# KiCad board 8851_HW-U1-VCU118_REV2-0_071417.kicad_pcb (continued)
## Routing (per net, layer and track width the routed paths; a pad name or vN(x,y) marks a point on that pad's centre or on a via; arc(x,y) is an arc through that point) (continued)
PCIE_RX2_N: length 78.3
  TOP w0.145: v3(70.03,9.26) 69.71,9.58 arc(69.66,9.61) 69.6,9.62 69.45,9.62 arc(69.25,9.54) 69.17,9.35 69.17,6.29 arc(70.3,6.51) 69.35,5.87 69.37,5.85 arc(69.49,5.66) 69.54,5.44 U2.B24 ; v2(115.39,44.14) 115.88,44.63
  03_SIG1 w0.18: v3(70.03,9.26) 70.32,9.55 arc(70.38,9.59) 70.45,9.6 71.01,9.6 arc(72.56,10.24) 73.2,11.79 73.2,19.77 arc(73.46,20.41) 74.1,20.68 76.61,20.68 arc(77.32,20.81) 77.91,21.21 81.68,24.98 arc(82.04,25.22) 82.48,25.31 86.23,25.31 arc(87.06,25.36) 87.87,25.52 arc(88.56,25.8) 89.16,26.26 91.66,28.76 arc(93.52,30) 95.7,30.44 103.66,30.44 arc(105.51,30.8) 107.07,31.85 107.23,32 arc(107.41,32.28) 107.47,32.6 107.47,32.6 arc(107.51,32.76) 107.6,32.9 115.14,40.44 arc(115.38,40.8) 115.46,41.22 arc(115.52,41.51) 115.68,41.77
  03_SIG1 w0.234: v2(115.39,44.14) 115.39,44.26 arc(115.65,44.53) 115.91,44.26 115.91,42.21 arc(115.89,42.06) 115.84,41.93 115.7,41.8 arc(115.69,41.78) 115.68,41.77
PCIE_RX2_P: length 85
  TOP w0.145: v3(70.03,10.24) 69.72,9.93 arc(69.66,9.9) 69.6,9.88 69.45,9.88 arc(69.07,9.73) 68.92,9.35 68.92,6.29 arc(68.87,6.06) 68.75,5.87 68.72,5.85 arc(68.6,5.66) 68.55,5.44 U2.B23 ; v2(115.39,45.12) 115.88,45.61
  03_SIG1 w0.18: v3(70.03,10.24) 70.32,9.95 arc(70.38,9.91) 70.45,9.9 71.01,9.9 arc(72.35,10.45) 72.9,11.79 72.9,19.77 arc(73.25,20.62) 74.1,20.98 76.61,20.98 arc(77.2,21.09) 77.7,21.42 81.47,25.19 arc(81.93,25.5) 82.48,25.61 86.23,25.61 arc(87.02,25.66) 87.79,25.81 arc(88.41,26.06) 88.95,26.47 91.45,28.97 arc(93.4,30.28) 95.7,30.74 103.66,30.74 arc(105.39,31.08) 106.86,32.06 107.02,32.22 arc(107.13,32.39) 107.17,32.6 arc(108.57,32.32) 107.39,33.11 114.93,40.66 arc(115.1,40.91) 115.16,41.22 115.16,41.28 arc(115.12,41.52) 114.99,41.72 ; 114.98,41.73 arc(114.98,41.74) 114.97,41.74
  03_SIG1 w0.234: v2(115.39,45.12) 115.26,44.99 arc(117.38,43.57) 114.88,44.07 114.88,41.97 arc(114.9,41.85) 114.97,41.74 ; 114.99,41.72 arc(114.99,41.73) 114.98,41.73
PCIE_RX3_N: length 84
  TOP w0.145: U2.B28 73.47,5.44 arc(73.43,5.66) 73.3,5.85 73.28,5.87 arc(74.24,6.51) 73.11,6.29 73.11,9.35 arc(73.19,9.54) 73.39,9.62 73.54,9.62 arc(73.6,9.61) 73.65,9.58 v3(73.97,9.26) ; v2(117.36,42.17) 116.87,42.66
  03_SIG1 w0.18: v3(73.97,9.26) 74.26,9.55 arc(74.31,9.59) 74.38,9.6 74.56,9.6 arc(74.97,9.77) 75.14,10.18 75.14,12.71 arc(76.75,12.39) 75.39,13.3 77.09,15.01 arc(77.52,15.64) 77.67,16.39 77.67,16.84 arc(80.9,16.2) 78.16,18.03 80.33,20.2 arc(81.12,20.73) 82.04,20.91 85.62,20.91 arc(86.03,20.99) 86.38,21.23 89.26,24.11 arc(89.46,24.4) 89.53,24.74 89.53,24.8 arc(89.57,25.03) 89.71,25.23 90.87,26.4 arc(91.09,26.55) 91.36,26.6 91.47,26.6 arc(92.08,26.72) 92.58,27.06 94.02,28.5 arc(94.95,29.12) 96.03,29.33 104.61,29.33 arc(106.09,29.63) 107.34,30.46 115.6,38.73 arc(116.42,39.94) 116.7,41.38 116.7,42.35 arc(116.8,42.58) 117.03,42.67 117.15,42.67 arc(117.22,42.66) 117.28,42.63
  03_SIG1 w0.234: v2(117.36,42.17) 117.36,42.46 arc(117.35,42.54) 117.3,42.61 arc(117.29,42.62) 117.28,42.63
PCIE_RX3_P: length 84.1
  TOP w0.145: v3(73.97,10.24) 73.65,9.93 arc(73.6,9.9) 73.54,9.88 73.39,9.88 arc(73.01,9.73) 72.85,9.35 72.85,6.29 arc(72.81,6.06) 72.68,5.87 72.66,5.85 arc(72.53,5.66) 72.49,5.44 U2.B27 ; v2(117.36,43.15) 116.87,43.64
  03_SIG1 w0.18: v3(73.97,10.24) 74.26,9.95 arc(74.31,9.91) 74.38,9.9 74.56,9.9 arc(74.76,9.98) 74.84,10.18 74.84,12.71 arc(77.03,12.27) 75.17,13.51 76.88,15.22 arc(77.24,15.75) 77.37,16.39 77.37,16.84 arc(81.17,16.09) 77.95,18.24 80.12,20.41 arc(81,21.01) 82.04,21.21 85.62,21.21 arc(85.92,21.27) 86.17,21.44 89.05,24.32 arc(89.18,24.51) 89.23,24.74 89.23,24.8 arc(89.3,25.15) 89.49,25.45 90.66,26.61 arc(90.98,26.83) 91.36,26.9 91.47,26.9 arc(91.96,27) 92.37,27.27 93.81,28.71 arc(94.83,29.39) 96.03,29.63 104.61,29.63 arc(105.97,29.9) 107.12,30.67 115.39,38.94 arc(116.14,40.06) 116.4,41.37 116.4,42.35 arc(116.58,42.79) 117.03,42.97 arc(117.17,43) 117.29,43.09
  03_SIG1 w0.234: 117.29,43.09 v2(117.36,43.15)
PCIE_RX4_N: length 78.1
  TOP w0.145: U2.B34 79.38,5.44 arc(79.34,5.66) 79.21,5.85 79.19,5.87 arc(80.14,6.51) 79.02,6.29 79.02,9.35 arc(78.86,9.73) 78.48,9.88 78.33,9.88 arc(78.27,9.9) 78.22,9.93 v3(77.9,10.24) ; v2(118.34,44.14) 117.85,44.63
  03_SIG1 w0.18: v3(77.9,10.24) 77.61,9.95 arc(77.56,9.91) 77.49,9.9 77.31,9.9 arc(77.58,10.55) 76.92,10.28 76.92,10.81 arc(77.43,12.03) 78.64,12.53 81.21,12.53 arc(82.19,12.94) 82.6,13.92 82.6,18.77 arc(82.9,19.5) 83.63,19.8 86.24,19.8 arc(86.89,19.94) 87.45,20.31 93.78,26.63 arc(95.18,27.57) 96.84,27.9 109.08,27.9 arc(110.09,28.1) 110.95,28.68 112.19,29.91 arc(113.05,31.2) 113.35,32.72 113.35,33.42 arc(113.62,34.77) 114.38,35.9 117.85,39.38 arc(118.3,40.05) 118.46,40.85 118.46,41.08 arc(118.5,41.3) 118.62,41.47
  03_SIG1 w0.234: v2(118.34,44.14) 118.34,44.36 arc(118.59,44.6) 118.84,44.36 118.84,41.98 arc(118.78,41.71) 118.62,41.47
PCIE_RX4_P: length 85.8
  TOP w0.145: U2.B33 78.4,5.44 arc(78.44,5.66) 78.57,5.85 78.59,5.87 arc(78.71,6.06) 78.76,6.29 78.76,9.35 arc(78.68,9.54) 78.48,9.62 78.33,9.62 arc(78.27,9.61) 78.22,9.58 v3(77.9,9.26) ; v2(118.34,45.12) 117.85,45.61
  03_SIG1 w0.18: v3(77.9,9.26) 77.61,9.55 arc(77.56,9.59) 77.49,9.6 77.31,9.6 arc(77.79,10.77) 76.62,10.28 76.62,10.81 arc(77.22,12.24) 78.64,12.83 81.21,12.83 arc(81.98,13.15) 82.3,13.92 82.3,18.77 arc(82.69,19.71) 83.63,20.1 86.24,20.1 arc(86.78,20.21) 87.24,20.52 93.57,26.85 arc(95.07,27.85) 96.84,28.2 109.08,28.2 arc(109.98,28.38) 110.74,28.89 111.97,30.12 arc(112.77,31.32) 113.05,32.72 113.05,33.42 arc(113.34,34.88) 114.16,36.11 117.64,39.59 arc(118.03,40.17) 118.16,40.85 118.16,41.08 arc(119.87,41.08) 118.16,41.09 arc(118.14,41.27) 118.07,41.45
  03_SIG1 w0.234: v2(118.34,45.12) 117.98,44.75 arc(117.88,44.62) 117.85,44.45 117.85,41.96 arc(119.36,42.12) 117.91,41.66 117.93,41.65 arc(117.97,41.6) 118.01,41.55 arc(118.04,41.5) 118.07,41.45
PCIE_RX5_N: length 72.2
  TOP w0.145: v2(119.33,42.17) 118.84,42.66 ; v3(81.84,10.24) 82.15,9.93 arc(82.21,9.9) 82.27,9.88 82.42,9.88 arc(82.8,9.73) 82.95,9.35 82.95,6.29 arc(84.08,6.51) 83.12,5.87 83.15,5.85 arc(83.27,5.66) 83.32,5.44 U2.B38
  07_SIG3 w0.18: v3(81.84,10.24) 81.55,9.95 arc(81.49,9.91) 81.42,9.9 81.24,9.9 arc(81.42,10.32) 81,10.14 81,11.24 arc(81.29,11.93) 81.98,12.22 83,12.22 arc(84.17,12.45) 85.16,13.12 85.46,13.41 arc(85.64,13.49) 85.82,13.41 arc(85.99,13.34) 86.17,13.41 86.2,13.44 arc(86.27,13.62) 86.2,13.8 arc(86.63,13.97) 86.2,14.15 86.8,14.75 arc(87.46,15.19) 88.24,15.35 89.26,15.35 arc(90.62,15.91) 91.18,17.26 91.18,19.35 arc(91.26,19.76) 91.49,20.11 92.16,20.78 arc(92.65,21.11) 93.24,21.22 94.56,21.22 arc(95.18,21.35) 95.7,21.7 99.86,25.86 arc(100.57,26.33) 101.41,26.5 104.7,26.5 arc(105.97,26.75) 107.04,27.47 109.2,29.62 arc(109.47,30.03) 109.56,30.5 109.56,31.14 arc(109.5,31.45) 109.33,31.7 arc(109.29,31.76) 109.28,31.82 109.28,32.27 arc(109.33,32.52) 109.47,32.74 109.88,33.14 arc(110.14,33.32) 110.46,33.38 111.11,33.38 arc(111.87,33.54) 112.52,33.97 115.63,37.08 arc(115.99,37.32) 116.4,37.4 116.89,37.4 arc(117.31,37.48) 117.66,37.72 118.07,38.13 arc(118.19,38.18) 118.3,38.13 arc(118.42,38.08) 118.53,38.13 118.68,38.28 arc(118.73,38.4) 118.68,38.51 arc(118.96,38.63) 118.68,38.74 119.19,39.25 arc(119.37,39.52) 119.43,39.84 119.43,40.41 arc(119.47,40.58) 119.56,40.72
  07_SIG3 w0.234: v2(119.33,42.17) 119.74,41.75 arc(119.8,41.67) 119.82,41.56 119.82,41.16 arc(119.79,40.99) 119.69,40.85 119.56,40.72
PCIE_RX5_P: length 71.3
  TOP w0.145: v2(119.33,43.15) 118.84,43.64 ; v3(81.84,9.26) 82.16,9.58 arc(82.21,9.61) 82.27,9.62 82.42,9.62 arc(82.62,9.54) 82.7,9.35 82.7,6.29 arc(82.65,6.06) 82.52,5.87 82.5,5.85 arc(82.38,5.66) 82.33,5.44 U2.B37
  07_SIG3 w0.18: v3(81.84,9.26) 81.55,9.55 arc(81.49,9.59) 81.42,9.6 81.24,9.6 arc(81.63,10.53) 80.7,10.14 80.7,11.24 arc(81.08,12.14) 81.98,12.52 83,12.52 arc(84.06,12.73) 84.95,13.33 86.59,14.96 arc(87.35,15.47) 88.24,15.65 89.26,15.65 arc(90.4,16.12) 90.88,17.26 90.88,19.35 arc(90.98,19.88) 91.28,20.32 91.95,20.99 arc(92.54,21.39) 93.24,21.52 94.56,21.52 arc(95.06,21.62) 95.49,21.91 96.97,23.39 97.61,24.03 99.65,26.07 arc(100.46,26.61) 101.41,26.8 104.7,26.8 arc(105.86,27.03) 106.83,27.68 108.99,29.84 arc(109.19,30.14) 109.26,30.5 109.26,31.14 arc(109.22,31.33) 109.12,31.49 arc(109.01,31.64) 108.98,31.82 108.98,32.27 arc(109.05,32.64) 109.26,32.95 109.67,33.35 arc(110.03,33.6) 110.46,33.68 111.11,33.68 arc(111.76,33.81) 112.31,34.18 115.42,37.29 arc(115.87,37.6) 116.4,37.7 116.89,37.7 arc(117.19,37.76) 117.44,37.93 118.97,39.46 arc(119.09,39.63) 119.13,39.84 119.13,40.15 arc(119.09,40.37) 118.97,40.55 arc(119.72,41.05) 118.84,40.87
  07_SIG3 w0.234: 118.84,40.87 118.84,42.24 arc(118.87,42.42) 118.97,42.57 119.26,42.86 arc(119.31,42.94) 119.33,43.02 v2(119.33,43.15)
PCIE_RX6_N: length 72.6
  TOP w0.145: U2.B42 87.25,5.44 arc(87.21,5.66) 87.08,5.85 87.06,5.87 arc(88.02,6.51) 86.89,6.29 86.89,9.35 arc(86.73,9.73) 86.36,9.88 86.21,9.88 arc(86.14,9.9) 86.09,9.93 v3(85.78,10.24) ; v2(120.31,44.14) 119.82,44.63
  03_SIG1 w0.18: v3(85.78,10.24) 85.49,9.95 arc(85.43,9.91) 85.36,9.9 85.18,9.9 arc(85.3,10.19) 85.01,10.07 85.01,11.98 arc(85.06,12.21) 85.19,12.41 86.56,13.78 arc(86.8,14.14) 86.89,14.56 86.89,17.51 arc(86.95,17.81) 87.12,18.07 87.89,18.84 arc(88.32,19.12) 88.83,19.22 arc(89.28,19.31) 89.66,19.57 92.91,22.82 arc(93.63,23.3) 94.48,23.47 arc(94.96,23.53) 95.42,23.7 arc(95.7,23.87) 95.94,24.08 96.67,24.8 arc(98.88,26.28) 101.48,26.8 109.78,26.8 arc(111.13,27.07) 112.28,27.84 114.8,30.35 arc(114.99,30.63) 115.05,30.95 115.05,30.95 arc(115.11,31.27) 115.3,31.55 116.04,32.29 arc(116.27,32.45) 116.55,32.5 116.67,32.5 116.69,32.51 arc(117.16,32.63) 117.57,32.92 118.31,33.66 arc(119.85,35.96) 120.39,38.67 120.39,40.23 arc(121.09,40.09) 120.49,40.49
  03_SIG1 w0.234: v2(120.31,44.14) 120.31,44.31 arc(120.56,44.55) 120.8,44.31 120.8,40.7 arc(120.75,40.58) 120.62,40.53 arc(120.56,40.51) 120.49,40.49
PCIE_RX6_P: length 80.8
  TOP w0.145: U2.B41 86.27,5.44 arc(86.31,5.66) 86.44,5.85 86.46,5.87 arc(86.59,6.06) 86.63,6.29 86.63,9.35 arc(86.55,9.54) 86.36,9.62 86.21,9.62 arc(86.15,9.61) 86.1,9.58 v3(85.78,9.26) ; v2(120.31,45.12) 119.82,45.61
  03_SIG1 w0.18: v3(85.78,9.26) 85.49,9.55 arc(85.43,9.59) 85.36,9.6 85.18,9.6 arc(85.51,10.4) 84.71,10.07 84.71,11.98 arc(86.47,11.63) 84.98,12.62 86.35,13.99 arc(86.53,14.25) 86.59,14.56 86.59,17.51 arc(86.67,17.93) 86.91,18.28 87.67,19.05 arc(88.2,19.4) 88.83,19.52 arc(89.16,19.59) 89.45,19.78 92.69,23.03 arc(93.51,23.58) 94.48,23.77 arc(94.89,23.82) 95.28,23.96 arc(95.52,24.11) 95.73,24.29 96.46,25.02 arc(98.76,26.56) 101.48,27.1 109.78,27.1 arc(111.02,27.34) 112.07,28.05 114.59,30.57 arc(114.71,30.74) 114.75,30.95 114.75,30.95 arc(116.96,30.51) 115.09,31.76 115.83,32.5 arc(116.16,32.72) 116.55,32.8 116.55,32.8 arc(116.6,32.8) 116.65,32.8 116.66,32.81 arc(117.04,32.91) 117.35,33.13 118.1,33.87 arc(119.57,36.07) 120.09,38.67 120.09,40.4 arc(120.05,40.57) 119.95,40.73
  03_SIG1 w0.234: v2(120.31,45.12) 120.06,44.87 arc(119.88,44.6) 119.82,44.29 119.82,41.04 arc(120.67,41.21) 119.95,40.73
PCIE_RX7_N: length 69.1
  TOP w0.145: v3(89.71,10.24) 90.03,9.93 arc(90.08,9.9) 90.14,9.88 90.3,9.88 arc(90.67,9.73) 90.83,9.35 90.83,6.29 arc(91.95,6.51) 91,5.87 91.02,5.85 arc(91.15,5.66) 91.19,5.44 U2.B46 ; v2(121.3,42.17) 120.8,42.66
  07_SIG3 w0.18: v3(89.71,10.24) 89.43,9.95 arc(89.37,9.91) 89.3,9.9 89.12,9.9 arc(89.29,10.32) 88.87,10.14 88.87,11.43 arc(89.04,11.82) 89.43,11.98 90.08,11.98 arc(92.31,12.43) 94.2,13.69 95.24,14.73 arc(95.42,15) 95.48,15.32 95.48,19.3 arc(95.54,19.58) 95.7,19.83 98.53,22.65 arc(98.77,22.81) 99.06,22.87 100.54,22.87 arc(101.08,22.98) 101.53,23.28 102.64,24.4 arc(103.01,24.64) 103.44,24.73 105.21,24.73 arc(105.88,24.83) 106.49,25.13 arc(106.64,25.25) 106.78,25.37 108.1,26.69 arc(108.27,26.81) 108.48,26.85 108.54,26.85 arc(109.07,26.96) 109.52,27.26 112.32,30.06 arc(112.48,30.3) 112.54,30.59 arc(112.57,30.73) 112.65,30.84 114.03,32.23 arc(114.16,32.31) 114.31,32.34 116.94,32.34 arc(117.27,32.41) 117.54,32.59 118.8,33.86 arc(119.02,34.18) 119.1,34.57 119.1,36.69 arc(119.18,37.09) 119.41,37.42 119.87,37.89 arc(120.06,37.97) 120.25,37.89 120.39,37.75 arc(120.78,37.75) 120.78,38.13 120.64,38.27 arc(121.1,38.46) 120.64,38.65 121.16,39.18 arc(121.35,39.45) 121.41,39.78 121.41,40.43 arc(122.21,40.27) 121.53,40.72 121.66,40.85
  07_SIG3 w0.234: v2(121.3,42.17) 121.71,41.75 arc(121.77,41.67) 121.79,41.56 121.79,41.16 arc(121.75,40.99) 121.66,40.85
PCIE_RX7_P: length 78.9
  TOP w0.145: v3(89.71,9.26) 90.04,9.58 arc(90.09,9.61) 90.14,9.62 90.3,9.62 arc(90.49,9.54) 90.57,9.35 90.57,6.29 arc(90.53,6.06) 90.4,5.87 90.38,5.85 arc(90.25,5.66) 90.21,5.44 U2.B45 ; v2(121.3,43.15) 120.8,43.64
  07_SIG3 w0.18: v3(89.71,9.26) 89.43,9.55 arc(89.37,9.59) 89.3,9.6 89.12,9.6 arc(89.5,10.53) 88.57,10.14 88.57,11.43 arc(88.83,12.03) 89.43,12.28 90.08,12.28 arc(92.19,12.7) 93.98,13.9 95.02,14.94 arc(95.14,15.12) 95.18,15.32 95.18,19.3 arc(97.2,18.9) 95.49,20.04 98.31,22.86 arc(98.66,23.09) 99.06,23.17 100.54,23.17 arc(100.96,23.26) 101.32,23.49 102.43,24.61 arc(102.89,24.92) 103.44,25.02 105.21,25.02 arc(105.79,25.12) 106.32,25.38 arc(106.45,25.48) 106.56,25.59 107.89,26.91 arc(108.16,27.09) 108.48,27.15 108.54,27.15 arc(108.96,27.23) 109.31,27.47 112.11,30.27 arc(112.21,30.42) 112.24,30.59 arc(113.51,30.34) 112.44,31.06 113.82,32.44 arc(114.05,32.59) 114.31,32.64 116.94,32.64 arc(117.15,32.69) 117.33,32.8 118.59,34.07 arc(118.75,34.3) 118.8,34.57 118.8,36.69 arc(121.39,36.17) 119.19,37.64 120.95,39.39 arc(121.07,39.57) 121.11,39.78 121.11,40.29 arc(121.05,40.58) 120.88,40.83
  07_SIG3 w0.234: v2(121.3,43.15) 120.92,42.78 arc(120.84,42.65) 120.8,42.49 120.8,41.03 arc(120.82,40.92) 120.88,40.83
PCIE_RX8_N: length 81.9
  TOP w0.145: v3(94.64,10.24) 94.95,9.93 arc(95,9.9) 95.07,9.88 95.22,9.88 arc(95.59,9.73) 95.75,9.35 95.75,6.29 arc(96.87,6.51) 95.92,5.87 95.94,5.85 arc(96.07,5.66) 96.11,5.44 U2.B51 ; v2(122.28,44.14) 121.79,44.63
  03_SIG1 w0.18: 122.65,40.73 122.52,40.59 arc(123.52,39.92) 122.33,40.15 122.33,39.25 arc(121.7,36.05) 119.89,33.34 119.51,32.96 arc(121.09,31.9) 119.23,32.28 arc(119.12,31.77) 118.84,31.34 113.52,26.02 arc(111.74,24.83) 109.65,24.41 104.76,24.41 arc(103.68,24.2) 102.77,23.59 arc(101.97,23.06) 101.04,22.87 97.87,22.87 arc(94.78,22.26) 92.16,20.51 91.29,19.63 arc(91.9,19.22) 91.17,19.37 91.17,10.48 arc(92.16,10.89) 91.75,9.9 94.22,9.9 arc(94.29,9.91) 94.35,9.95 v3(94.64,10.24)
  03_SIG1 w0.234: v2(122.28,44.14) 122.28,44.34 arc(122.53,44.58) 122.77,44.34 122.77,41.02 arc(122.74,40.86) 122.65,40.73
PCIE_RX8_P: length 81.7
  TOP w0.145: v3(94.64,9.26) 94.96,9.58 arc(95.01,9.61) 95.07,9.62 95.22,9.62 arc(95.41,9.54) 95.49,9.35 95.49,6.29 arc(95.45,6.06) 95.32,5.87 95.3,5.85 arc(95.17,5.66) 95.13,5.44 U2.B50 ; v2(122.28,45.12) 121.79,45.61
  03_SIG1 w0.18: v3(94.64,9.26) 94.35,9.55 arc(94.29,9.59) 94.22,9.6 91.75,9.6 arc(92.37,11.1) 90.88,10.48 90.88,19.37 arc(92.18,19.11) 91.07,19.85 91.95,20.72 arc(94.66,22.54) 97.87,23.17 101.04,23.17 arc(101.86,23.34) 102.56,23.8 arc(103.57,24.48) 104.76,24.71 109.65,24.71 arc(111.63,25.11) 113.3,26.23 118.22,31.14 118.62,31.55 arc(118.85,31.88) 118.92,32.28 arc(121.36,31.79) 119.3,33.17 119.67,33.55 arc(121.42,36.16) 122.03,39.25 122.03,40.51 arc(122,40.68) 121.9,40.83 121.89,40.84
  03_SIG1 w0.234: v2(122.28,45.12) 122.03,44.87 arc(121.85,44.6) 121.79,44.29 121.79,41.09 arc(122.48,41.23) 121.89,40.84
PCIE_RX9_N: length 63.3
  TOP w0.145: U2.B55 100.05,5.44 arc(100,5.66) 99.88,5.85 99.86,5.87 arc(100.81,6.51) 99.69,6.29 99.69,9.35 arc(99.53,9.73) 99.15,9.88 99,9.88 arc(98.94,9.9) 98.88,9.93 v3(98.57,10.24) ; 122.77,42.66 v2(123.26,42.17)
  07_SIG3 w0.18: v3(98.57,10.24) 98.28,9.95 arc(98.23,9.91) 98.16,9.9 97.98,9.9 arc(98.15,10.32) 97.73,10.14 97.73,10.98 arc(98.04,12.53) 98.92,13.84 99.52,14.44 arc(99.79,14.85) 99.89,15.34 99.89,15.93 arc(99.81,16.33) 99.58,16.68 arc(99.48,16.82) 99.45,17 99.45,17.88 arc(99.49,18.1) 99.61,18.28 103.72,22.39 arc(103.98,22.56) 104.29,22.62 104.9,22.62 arc(105.48,22.74) 105.97,23.07 106.93,24.03 arc(107.18,24.2) 107.49,24.26 108.79,24.26 arc(109.3,24.36) 109.73,24.65 113.08,27.99 arc(113.74,28.43) 114.52,28.59 arc(115.12,28.71) 115.63,29.05 116.84,30.26 arc(117.17,30.48) 117.56,30.56 arc(117.98,30.64) 118.32,30.87 119.87,32.41 arc(120.31,33.07) 120.46,33.85 120.46,34.65 arc(120.67,35.69) 121.26,36.57 121.37,36.69 arc(121.53,36.75) 121.7,36.69 arc(121.86,36.62) 122.03,36.69 122.08,36.74 arc(122.15,36.9) 122.08,37.07 arc(122.48,37.23) 122.08,37.4 122.13,37.45 arc(122.3,37.52) 122.46,37.45 arc(122.63,37.38) 122.79,37.45 122.85,37.5 arc(122.91,37.67) 122.85,37.83 arc(123.24,38) 122.85,38.16 123.01,38.33 arc(123.28,38.73) 123.38,39.21 123.38,40.43 arc(124.18,40.27) 123.5,40.72 123.63,40.85
  07_SIG3 w0.234: v2(123.26,42.17) 123.68,41.75 arc(123.74,41.67) 123.76,41.56 123.76,41.16 arc(123.72,40.99) 123.63,40.85
PCIE_RX9_P: length 100.4
  TOP w0.145: U2.B54 99.06,5.44 arc(99.11,5.66) 99.24,5.85 99.26,5.87 arc(99.38,6.06) 99.43,6.29 99.43,9.35 arc(99.35,9.54) 99.15,9.62 99,9.62 arc(98.94,9.61) 98.89,9.58 v3(98.57,9.26) ; 122.77,43.64 v2(123.26,43.15)
  07_SIG3 w0.18: v3(98.57,9.26) 98.28,9.55 arc(98.23,9.59) 98.16,9.6 97.98,9.6 arc(98.36,10.53) 97.43,10.14 97.43,10.98 arc(105.82,9.31) 98.71,14.06 99.31,14.66 arc(99.52,14.97) 99.59,15.34 99.59,15.93 arc(99.53,16.22) 99.37,16.46 arc(100.6,17.29) 99.15,17 99.15,17.88 arc(100.8,17.55) 99.4,18.49 103.51,22.6 arc(103.87,22.84) 104.29,22.93 104.9,22.93 arc(105.36,23.02) 105.75,23.28 106.71,24.24 arc(107.07,24.47) 107.49,24.56 108.79,24.56 arc(109.19,24.64) 109.52,24.86 112.87,28.21 arc(113.62,28.71) 114.52,28.89 arc(115.01,28.99) 115.42,29.26 116.63,30.47 arc(117.06,30.76) 117.56,30.86 arc(117.86,30.92) 118.11,31.09 119.65,32.63 arc(120.03,33.19) 120.16,33.85 120.16,34.65 arc(125.97,33.49) 121.04,36.79 122.8,38.54 arc(123.01,38.85) 123.08,39.21 123.08,40.29 arc(123.02,40.58) 122.85,40.83
  07_SIG3 w0.234: v2(123.26,43.15) 122.89,42.78 arc(122.8,42.65) 122.77,42.49 122.77,41.03 arc(122.79,40.92) 122.85,40.83
PCIE_RX10_N: length 77
  TOP w0.145: v3(102.51,10.24) 102.82,9.93 arc(102.88,9.9) 102.94,9.88 103.09,9.88 arc(103.47,9.73) 103.62,9.35 103.62,6.29 arc(104.75,6.51) 103.79,5.87 103.81,5.85 arc(103.94,5.66) 103.99,5.44 U2.B59 ; v2(125.23,42.17) 124.74,42.66
  05_SIG2 w0.18: v3(102.51,10.24) 102.22,9.95 arc(102.16,9.91) 102.09,9.9 101.72,9.9 arc(101.88,10.29) 101.49,10.13 arc(101.42,10.29) 101.26,10.36 101,10.36 arc(100.84,10.29) 100.77,10.13 100.77,10.02 arc(100.73,9.94) 100.65,9.9 100.53,9.9 arc(101.26,11.67) 99.49,10.94 99.49,11.78 arc(99.54,11.91) 99.67,11.97 arc(99.8,12.02) 99.86,12.15 99.86,12.5 arc(99.8,12.63) 99.67,12.69 arc(99.8,13) 99.49,12.87 99.49,14.19 arc(99.54,14.42) 99.67,14.62 arc(99.84,14.88) 99.9,15.18 99.9,16.54 arc(99.85,16.78) 99.71,16.99 arc(100.72,17.67) 99.53,17.43 99.53,17.79 arc(99.65,18.37) 99.97,18.86 101.15,20.04 arc(101.25,20.11) 101.37,20.13 arc(101.57,20.17) 101.73,20.28 103.76,22.31 arc(104.05,22.5) 104.4,22.57 105.04,22.57 arc(105.36,22.64) 105.63,22.82 106.75,23.94 arc(107.07,24.15) 107.45,24.23 108.88,24.23 arc(109.11,24.28) 109.31,24.41 110.3,25.4 arc(110.63,25.62) 111,25.69 111.18,25.69 arc(113.48,26.15) 115.43,27.45 117.22,29.24 arc(117.95,29.73) 118.81,29.9 arc(119.41,30.02) 119.91,30.36 121.95,32.4 arc(122.23,32.81) 122.32,33.29 122.32,35.71 arc(125.29,35.12) 122.78,36.8 124.97,39 arc(125.26,39.43) 125.36,39.94 125.36,40.23 arc(125.41,40.45) 125.53,40.64
  05_SIG2 w0.234: v2(125.23,42.17) 125.55,41.85 arc(125.68,41.66) 125.73,41.43 125.73,40.93 arc(125.71,40.84) 125.65,40.76 125.53,40.64
PCIE_RX10_P: length 78.3
  TOP w0.145: v3(102.51,9.26) 102.83,9.58 arc(102.88,9.61) 102.94,9.62 103.09,9.62 arc(103.28,9.54) 103.37,9.35 103.37,6.29 arc(103.32,6.06) 103.19,5.87 103.17,5.85 arc(103.05,5.66) 103,5.44 U2.B58 ; v2(125.23,43.15) 124.74,43.64
  05_SIG2 w0.18: v3(102.51,9.26) 102.22,9.55 arc(102.16,9.59) 102.09,9.6 100.53,9.6 arc(101.48,11.89) 99.19,10.94 99.19,14.19 arc(99.26,14.54) 99.46,14.83 arc(99.56,14.99) 99.6,15.18 99.6,16.54 arc(99.57,16.67) 99.5,16.78 arc(101,17.78) 99.23,17.43 99.23,17.79 arc(99.37,18.49) 99.76,19.08 100.94,20.25 arc(101.14,20.38) 101.37,20.43 arc(101.45,20.45) 101.52,20.49 103.55,22.52 arc(103.94,22.78) 104.4,22.87 105.04,22.87 arc(105.24,22.91) 105.42,23.03 105.76,23.37 106.54,24.15 arc(106.96,24.43) 107.45,24.53 108.88,24.53 arc(109,24.55) 109.1,24.62 110.09,25.61 arc(110.51,25.89) 111,25.99 111.18,25.99 arc(113.36,26.43) 115.21,27.66 115.3,27.75 117,29.45 arc(117.83,30.01) 118.81,30.2 arc(119.29,30.3) 119.7,30.57 121.74,32.61 arc(121.95,32.92) 122.02,33.29 122.02,35.71 arc(125.57,35.01) 122.56,37.01 124.76,39.21 arc(124.99,39.55) 125.06,39.94 125.06,40.25 arc(125.03,40.41) 124.95,40.53 124.84,40.64
  05_SIG2 w0.234: v2(125.23,43.15) 125.1,43.02 arc(124.83,42.62) 124.74,42.16 124.74,40.88 arc(125.38,41) 124.84,40.64
PCIE_RX11_N: length 68
  TOP w0.145: v3(106.45,10.24) 106.76,9.93 arc(106.81,9.9) 106.88,9.88 107.03,9.88 arc(107.4,9.73) 107.56,9.35 107.56,6.29 arc(108.69,6.51) 107.73,5.87 107.75,5.85 arc(107.88,5.66) 107.92,5.44 U2.B63 ; v2(127.2,42.17) 126.71,42.66
  05_SIG2 w0.18: v3(106.45,10.24) 106.16,9.95 arc(106.1,9.91) 106.03,9.9 104.58,9.9 arc(104.96,10.8) 104.06,10.43 104.06,11.3 arc(104.16,11.56) 104.42,11.66 104.53,11.66 arc(104.89,12.02) 104.53,12.38 104.42,12.38 arc(104.67,13) 104.06,12.74 104.06,14.03 arc(103.97,14.47) 103.72,14.84 arc(103.48,15.2) 103.4,15.62 103.4,16.14 arc(103.44,16.38) 103.58,16.58 103.71,16.71 arc(103.84,16.9) 103.88,17.13 103.88,17.85 arc(103.81,18.24) 103.58,18.58 arc(103.45,18.78) 103.4,19.02 103.4,19.93 arc(104.97,19.62) 103.64,20.51 104.33,21.21 arc(104.51,21.32) 104.71,21.36 107.74,21.36 arc(108.81,21.58) 109.72,22.19 111.62,24.08 arc(112.4,24.6) 113.32,24.79 113.9,24.79 arc(115.04,25.01) 116,25.66 118.34,28 arc(118.58,28.16) 118.86,28.21 119.01,28.21 arc(119.26,28.25) 119.49,28.36 119.51,28.36 123.27,32.12 arc(123.57,32.58) 123.67,33.11 123.67,34.67 arc(123.81,35.36) 124.21,35.95 126.72,38.46 arc(127.17,39.14) 127.33,39.94 127.33,40.19 arc(127.38,40.45) 127.53,40.66
  05_SIG2 w0.234: 127.53,40.66 127.62,40.76 arc(127.67,40.84) 127.69,40.93 127.69,41.43 arc(127.65,41.66) 127.52,41.85 v2(127.2,42.17)
PCIE_RX11_P: length 94.7
  TOP w0.145: U2.B62 106.94,5.44 arc(106.98,5.66) 107.11,5.85 107.13,5.87 arc(107.26,6.06) 107.3,6.29 107.3,9.35 arc(107.22,9.54) 107.03,9.62 106.88,9.62 arc(106.82,9.61) 106.77,9.58 v3(106.45,9.26) ; v2(127.2,43.15) 126.71,43.64
  05_SIG2 w0.18: v3(106.45,9.26) 106.16,9.55 arc(106.1,9.59) 106.03,9.6 104.58,9.6 arc(105.17,11.01) 103.76,10.43 103.76,14.03 arc(103.69,14.35) 103.51,14.63 arc(105.79,16.15) 103.1,15.62 103.1,16.14 arc(104.87,15.79) 103.37,16.79 103.5,16.92 arc(103.56,17.02) 103.58,17.13 103.58,17.85 arc(103.53,18.13) 103.37,18.36 arc(103.17,18.67) 103.1,19.02 103.1,19.93 arc(105.25,19.51) 103.43,20.73 104.12,21.42 arc(104.39,21.6) 104.71,21.66 107.74,21.66 arc(108.7,21.86) 109.51,22.4 111.41,24.29 arc(112.28,24.88) 113.32,25.09 113.9,25.09 arc(114.92,25.29) 115.79,25.87 118.13,28.21 arc(118.47,28.43) 118.86,28.51 119.01,28.51 arc(119.17,28.54) 119.32,28.61 arc(119.35,28.63) 119.38,28.66 123.05,32.34 arc(123.29,32.69) 123.37,33.11 123.37,34.67 arc(127.44,33.86) 123.99,36.16 126.51,38.68 arc(126.9,39.26) 127.03,39.94 127.03,40.25 arc(127.02,40.35) 126.99,40.43 arc(126.96,40.49) 126.92,40.53
  05_SIG2 w0.234: v2(127.2,43.15) 127.08,43.03 arc(129.13,41.66) 126.71,42.14 126.71,40.88 arc(127.35,41) 126.81,40.64 126.92,40.53
PCIE_RX12_N: length 66.3
  TOP w0.145: U2.B67 111.86,5.44 arc(111.82,5.66) 111.69,5.85 111.67,5.87 arc(112.62,6.51) 111.5,6.29 111.5,9.35 arc(111.34,9.73) 110.96,9.88 110.81,9.88 arc(110.75,9.9) 110.7,9.93 v3(110.38,10.24) ; v2(129.17,42.17) 128.68,42.66
  05_SIG2 w0.18: v3(110.38,10.24) 110.09,9.95 arc(110.04,9.91) 109.97,9.9 109.55,9.9 arc(109.71,10.27) 109.33,10.12 arc(109.26,10.29) 109.1,10.36 108.85,10.36 arc(108.68,10.29) 108.61,10.12 arc(108.55,9.97) 108.4,9.9 arc(109.14,11.71) 107.34,10.96 107.34,11.56 arc(107.41,11.73) 107.58,11.81 arc(107.75,11.88) 107.83,12.05 107.83,12.28 arc(107.75,12.45) 107.58,12.53 arc(107.75,12.94) 107.34,12.77 107.34,13.97 arc(107.4,14.3) 107.59,14.58 arc(107.76,14.83) 107.81,15.12 107.81,16 arc(107.74,16.38) 107.52,16.71 arc(108.55,17.4) 107.33,17.16 107.33,18.03 arc(107.37,18.21) 107.47,18.36 110.18,21.07 arc(112.12,22.36) 114.4,22.82 arc(115.8,23.1) 116.99,23.89 118.41,25.31 arc(119,25.86) 119.61,26.37 120.29,26.88 arc(120.85,27.35) 121.36,27.87 121.92,28.51 arc(122.47,29.2) 122.94,29.95 arc(123.12,30.21) 123.32,30.45 arc(123.75,30.84) 124.21,31.21 arc(124.58,31.5) 124.93,31.82 125.94,32.83 arc(126.22,33.25) 126.32,33.74 126.32,35.4 arc(126.5,36.31) 127.01,37.09 128.9,38.97 arc(129.2,39.42) 129.3,39.94 129.3,40.24 arc(129.34,40.45) 129.46,40.63
  05_SIG2 w0.234: v2(129.17,42.17) 129.6,41.74 arc(129.65,41.67) 129.66,41.59 129.66,40.93 arc(129.64,40.84) 129.59,40.76 129.46,40.63
PCIE_RX12_P: length 69.2
  TOP w0.145: U2.B66 110.88,5.44 arc(110.92,5.66) 111.05,5.85 111.07,5.87 arc(111.19,6.06) 111.24,6.29 111.24,9.35 arc(111.16,9.54) 110.96,9.62 110.81,9.62 arc(110.75,9.61) 110.7,9.58 v3(110.38,9.26) ; v2(129.17,43.15) 128.68,43.64
  05_SIG2 w0.18: v3(110.38,9.26) 110.09,9.55 arc(110.04,9.59) 109.97,9.6 108.4,9.6 arc(109.35,11.92) 107.04,10.96 107.04,13.97 arc(107.13,14.41) 107.38,14.79 arc(107.48,14.94) 107.51,15.12 107.51,16 arc(107.46,16.27) 107.31,16.5 arc(107.1,16.8) 107.03,17.16 107.03,18.03 arc(108.51,17.73) 107.26,18.57 109.97,21.28 arc(112,22.64) 114.4,23.12 arc(115.69,23.37) 116.78,24.1 118.2,25.53 arc(118.8,26.09) 119.43,26.61 120.11,27.12 arc(120.65,27.57) 121.13,28.07 121.69,28.71 arc(122.22,29.38) 122.68,30.1 arc(122.88,30.39) 123.11,30.66 arc(123.56,31.07) 124.03,31.45 arc(124.39,31.73) 124.72,32.04 125.73,33.04 arc(125.94,33.36) 126.02,33.74 126.02,35.4 arc(126.22,36.43) 126.8,37.3 128.69,39.18 arc(128.92,39.53) 129,39.94 129,40.25 arc(128.97,40.41) 128.89,40.53